# KiCad board pico_synth_sandbox.kicad_pcb
title: pico_synth_sandbox; date: 2024-01-01; rev: 2; note: pico-synth-sandbox.dcdalrymple.com; note: D Cooper Dalrymple
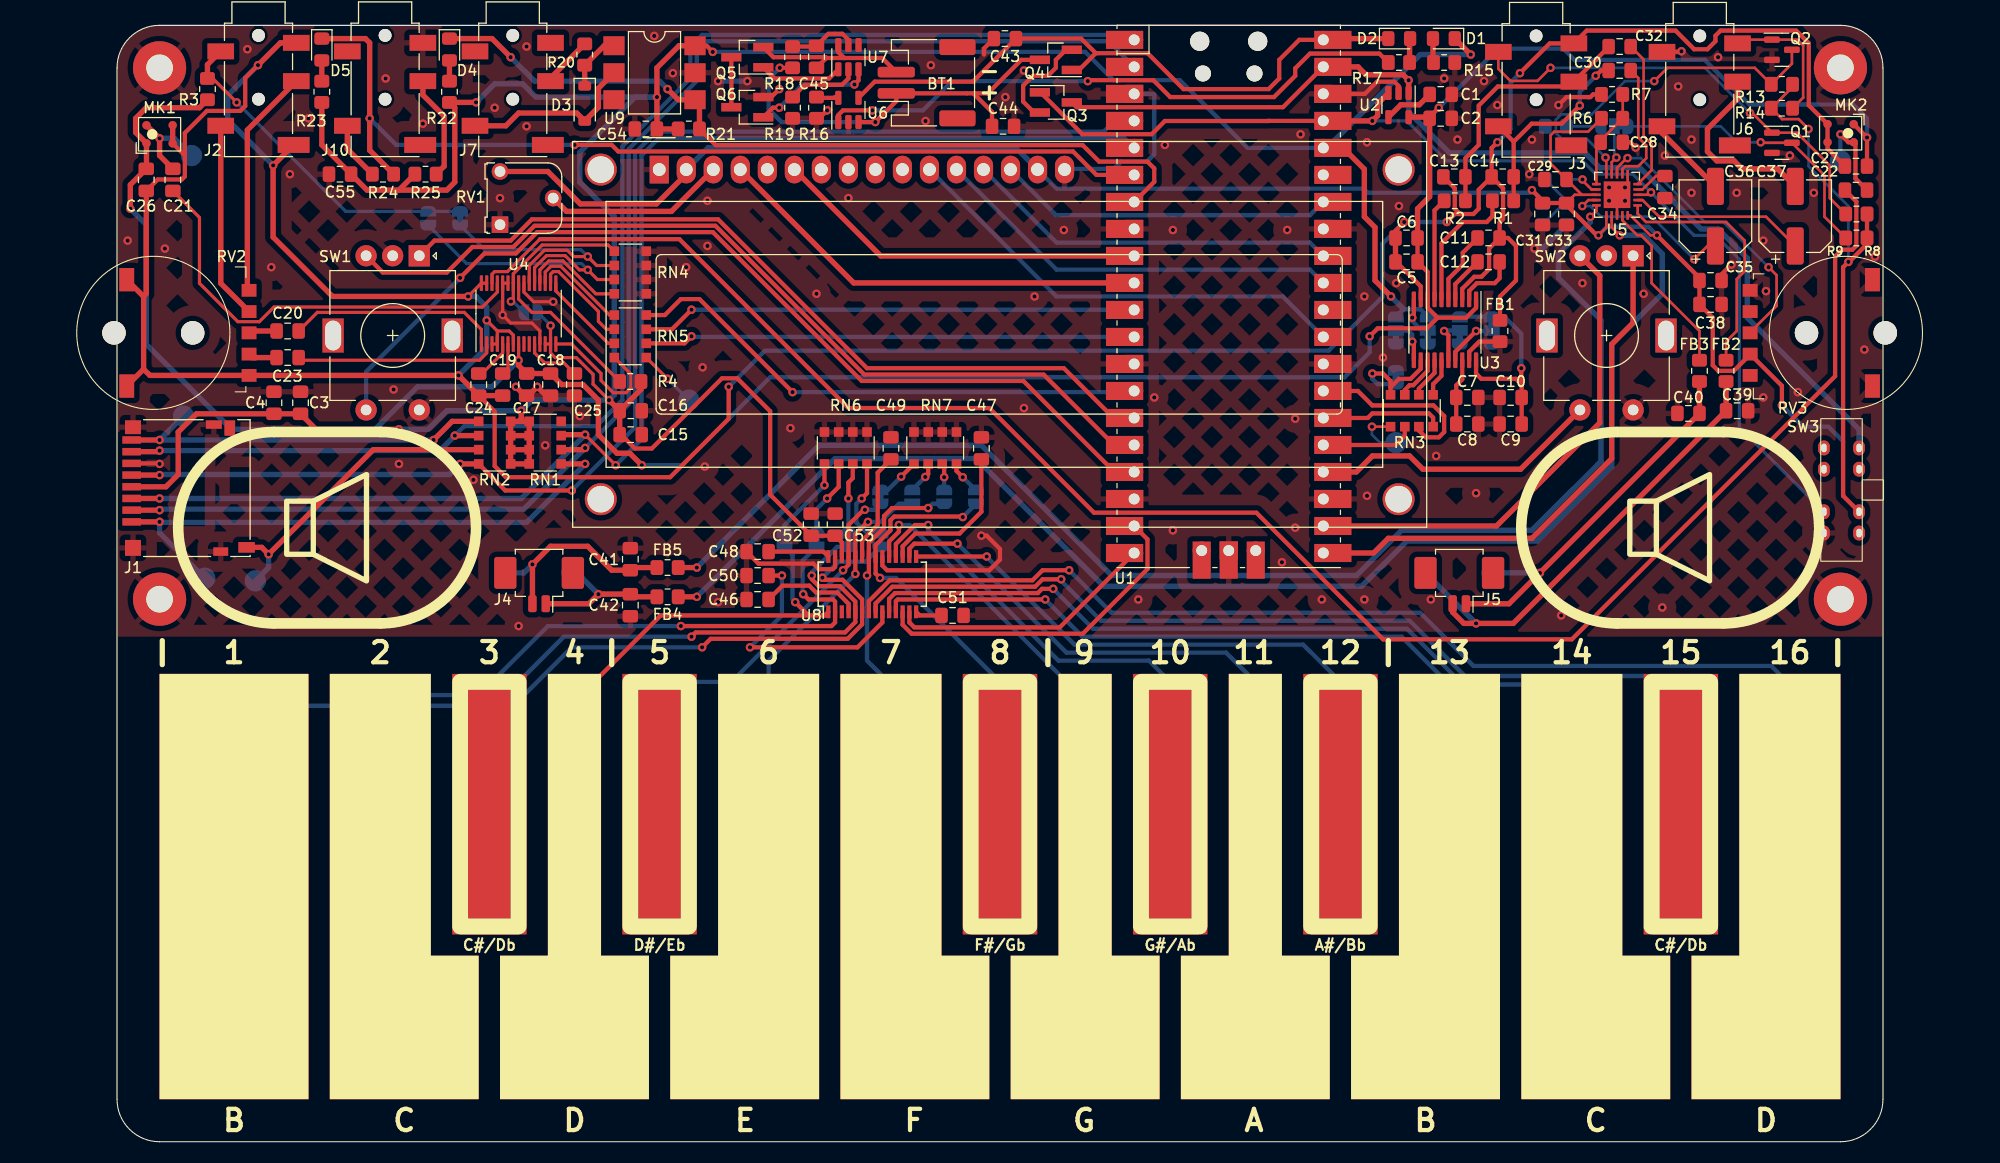
[diagram p0: board, top side]
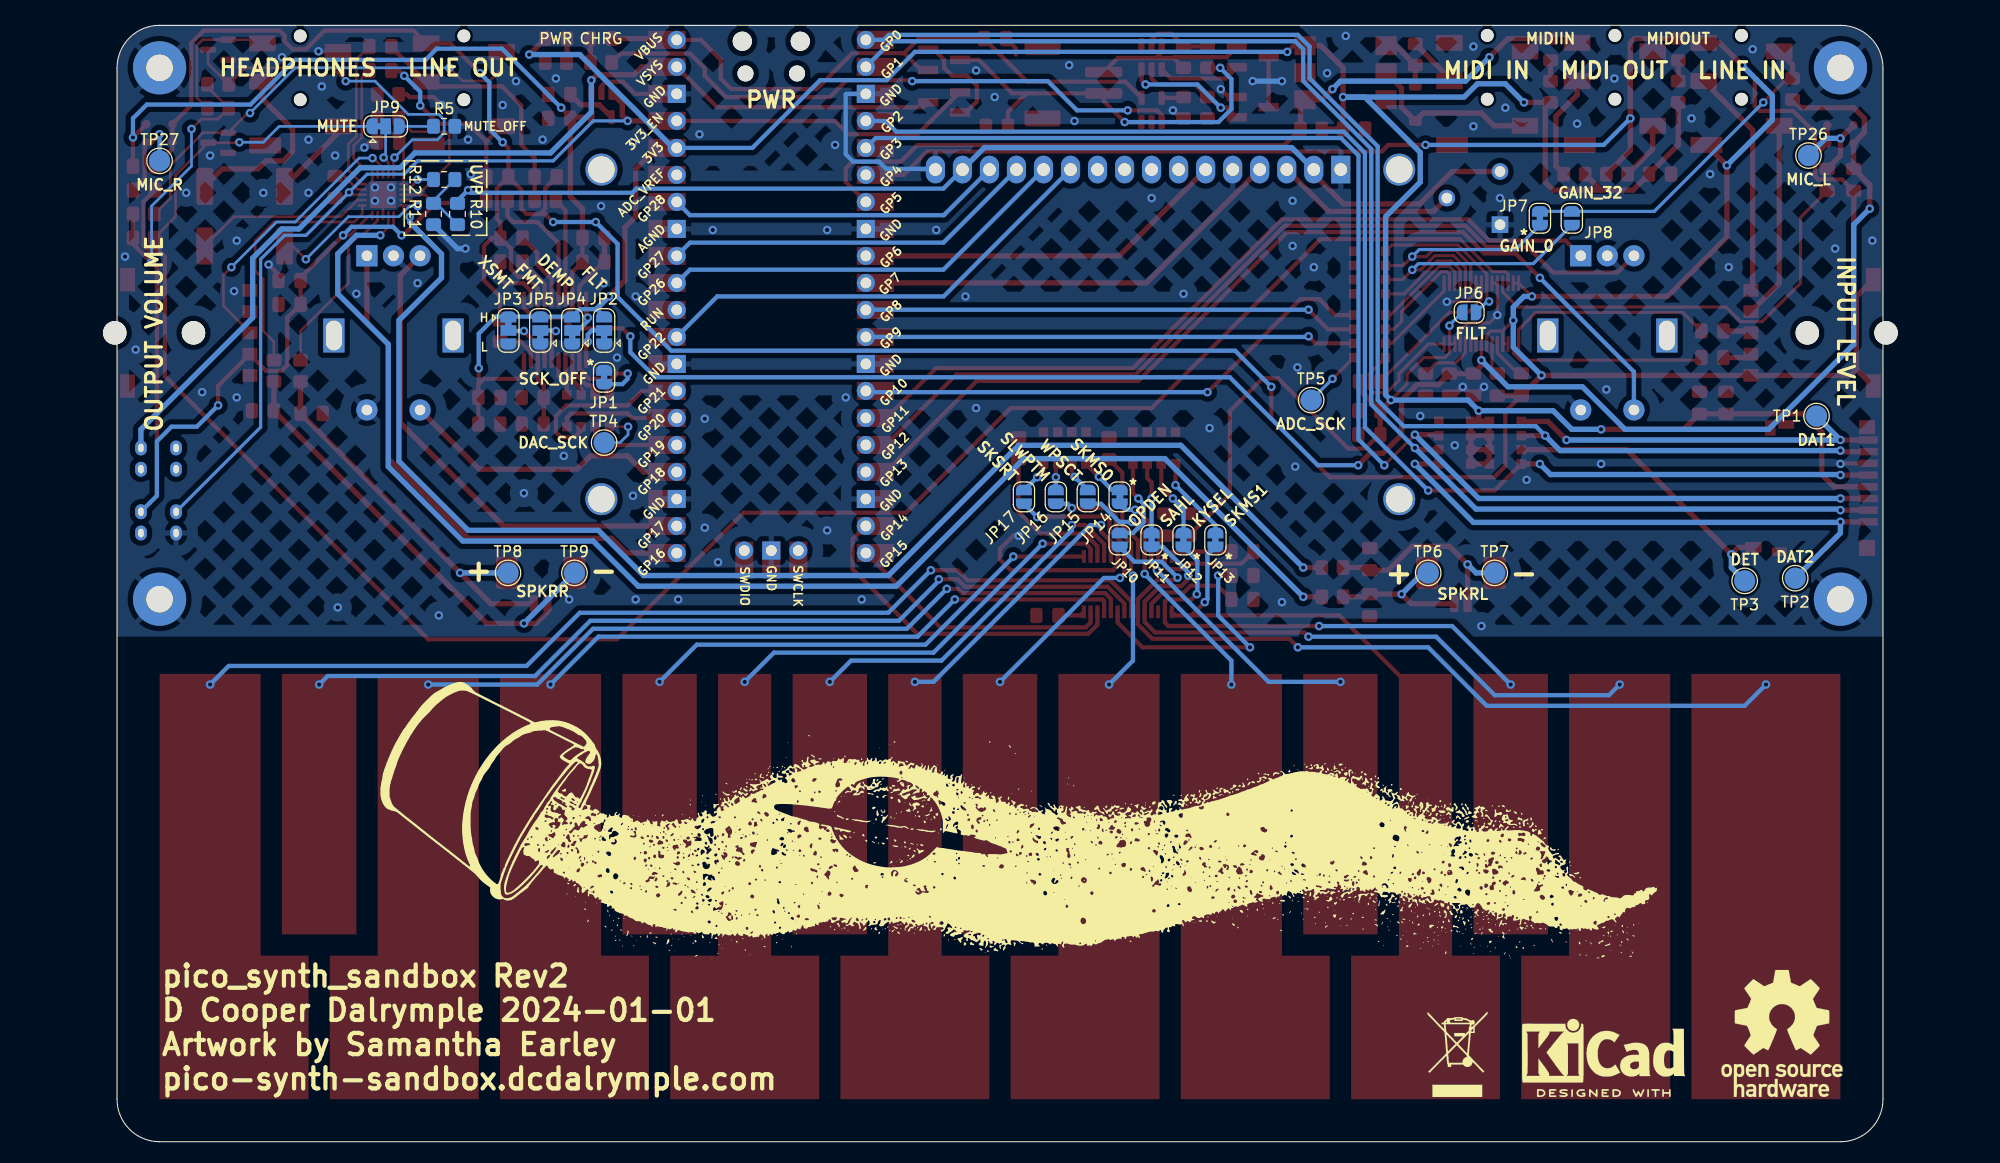
[diagram p1: board, bottom side, seen from below]

Outline 166 x 105 mm; copper layers: Top, Bottom. Coordinates in mm from the lower left corner of the outline.
Outline path: 0,101 arc(1.17,103.83) 4,105 162,105 arc(164.83,103.83) 166,101 166,4 arc(164.83,1.17) 162,0 4,0 arc(1.17,1.17) 0,4 0,101
Stack: Top 0.035mm / dielectric 1.51mm FR4 er 4.5 / Bottom 0.035mm

## Placement (name value [footprint] x y rotation side)
BT1  LiPo Battery  [JST_PH_S2B-PH-SM4-TB_1x02-1MP_P2.00mm_Horizontal]  76.1 99.6 90 top
C1  470pF  [C_0805_2012Metric_Pad1.18x1.45mm_HandSolder]  124.43 98.5 0 top
C2  2.2uF  [C_0805_2012Metric_Pad1.18x1.45mm_HandSolder]  124.43 96.25 0 top
C3  10uF  [C_0805_2012Metric_Pad1.18x1.45mm_HandSolder]  17.25 69.5 90 top
C4  0.1uF  [C_0805_2012Metric_Pad1.18x1.45mm_HandSolder]  14.75 69.5 90 top
C5  10uF  [C_0805_2012Metric_Pad1.18x1.45mm_HandSolder]  121.21 82.75 180 top
C6  0.1uF  [C_0805_2012Metric_Pad1.18x1.45mm_HandSolder]  121.21 85 180 top
C7  0.1uF  [C_0805_2012Metric_Pad1.18x1.45mm_HandSolder]  126.93 70 0 top
C8  10uF  [C_0805_2012Metric_Pad1.18x1.45mm_HandSolder]  126.93 67.5 0 top
C9  0.1uF  [C_0805_2012Metric_Pad1.18x1.45mm_HandSolder]  131 70 180 top
C10  10uF  [C_0805_2012Metric_Pad1.18x1.45mm_HandSolder]  131 67.5 0 top
C11  2.2uF  [C_0805_2012Metric_Pad1.18x1.45mm_HandSolder]  128.93 85 0 top
C12  2.2uF  [C_0805_2012Metric_Pad1.18x1.45mm_HandSolder]  128.93 82.75 180 top
C13  2.2nF  [C_0805_2012Metric_Pad1.18x1.45mm_HandSolder]  125.71 90.75 180 top
C14  2.2nF  [C_0805_2012Metric_Pad1.18x1.45mm_HandSolder]  130.25 90.75 180 top
C15  0.1uF  [C_0805_2012Metric_Pad1.18x1.45mm_HandSolder]  48.29 66.5 0 top
C16  10uF  [C_0805_2012Metric_Pad1.18x1.45mm_HandSolder]  48.29 68.75 0 top
C17  0.1uF  [C_0805_2012Metric_Pad1.18x1.45mm_HandSolder]  38.5 71.21 270 top
C18  10uF  [C_0805_2012Metric_Pad1.18x1.45mm_HandSolder]  40.75 71.21 270 top
C19  1uF  [C_0805_2012Metric_Pad1.18x1.45mm_HandSolder]  36.25 71.21 270 top
C20  10uF  [C_0805_2012Metric_Pad1.18x1.45mm_HandSolder]  16.04 76.25 0 top
C21  10uF  [C_0805_2012Metric_Pad1.18x1.45mm_HandSolder]  5.25 90.46 270 top
C22  10uF  [C_0805_2012Metric_Pad1.18x1.45mm_HandSolder]  163.46 89.5 180 top
C23  10uF  [C_0805_2012Metric_Pad1.18x1.45mm_HandSolder]  16.04 73.75 0 top
C24  2.2uF  [C_0805_2012Metric_Pad1.18x1.45mm_HandSolder]  34 71.21 270 top
C25  2.2uF  [C_0805_2012Metric_Pad1.18x1.45mm_HandSolder]  43 71.21 270 top
C26  0.1uF  [C_0805_2012Metric_Pad1.18x1.45mm_HandSolder]  2.75 90.46 270 top
C27  0.1uF  [C_0805_2012Metric_Pad1.18x1.45mm_HandSolder]  163.46 91.75 180 top
C28  1uF  [C_0805_2012Metric_Pad1.18x1.45mm_HandSolder]  140.5 94 0 top
C29  0.1uF  [C_0805_2012Metric_Pad1.18x1.45mm_HandSolder]  135.21 90.5 180 top
C30  1uF  [C_0805_2012Metric_Pad1.18x1.45mm_HandSolder]  141.25 100.75 0 top
C31  0.1uF  [C_0805_2012Metric_Pad1.18x1.45mm_HandSolder]  134 87.25 270 top
C32  1uF  [C_0805_2012Metric_Pad1.18x1.45mm_HandSolder]  141.25 103 0 top
C33  10uF  [C_0805_2012Metric_Pad1.18x1.45mm_HandSolder]  136.25 87.25 270 top
C34  2.2uF  [C_0805_2012Metric_Pad1.18x1.45mm_HandSolder]  145.5 89.79 270 top
C35  10uF  [C_0805_2012Metric_Pad1.18x1.45mm_HandSolder]  149.79 81 0 top
C36  220uF  [CP_Elec_6.3x5.4]  150.25 87.05 90 top
C37  220uF  [CP_Elec_6.3x5.4]  157.75 87.05 90 top
C38  0.1uF  [C_0805_2012Metric_Pad1.18x1.45mm_HandSolder]  149.79 78.75 0 top
C39  200pF  [C_0805_2012Metric_Pad1.18x1.45mm_HandSolder]  152.29 68.75 0 top
C40  200pF  [C_0805_2012Metric_Pad1.18x1.45mm_HandSolder]  147.71 68.5 180 top
C41  200pF  [C_0805_2012Metric_Pad1.18x1.45mm_HandSolder]  48.25 54.79 90 top
C42  200pF  [C_0805_2012Metric_Pad1.18x1.45mm_HandSolder]  48.25 50.46 270 top
C43  10uF  [C_0805_2012Metric_Pad1.18x1.45mm_HandSolder]  83.46 103.75 180 top
C44  10uF  [C_0805_2012Metric_Pad1.18x1.45mm_HandSolder]  83.29 95.5 0 top
C45  0.1uF  [C_0805_2012Metric_Pad1.18x1.45mm_HandSolder]  65.75 102.04 270 top
C46  0-50pF  [C_0805_2012Metric_Pad1.18x1.45mm_HandSolder]  60.21 51 180 top
C47  0-50pF  [C_0805_2012Metric_Pad1.18x1.45mm_HandSolder]  81.25 65.21 90 top
C48  0-50pF  [C_0805_2012Metric_Pad1.18x1.45mm_HandSolder]  60.21 55.5 180 top
C49  0-50pF  [C_0805_2012Metric_Pad1.18x1.45mm_HandSolder]  72.75 65.21 90 top
C50  0-50pF  [C_0805_2012Metric_Pad1.18x1.45mm_HandSolder]  60.21 53.25 180 top
C51  0-50pF  [C_0805_2012Metric_Pad1.18x1.45mm_HandSolder]  78.54 49.5 0 top
C52  0.1uF  [C_0805_2012Metric_Pad1.18x1.45mm_HandSolder]  65.25 58.04 90 top
C53  10uF  [C_0805_2012Metric_Pad1.18x1.45mm_HandSolder]  67.5 58.04 90 top
C54  1uF  [C_0805_2012Metric_Pad1.18x1.45mm_HandSolder]  49.71 95.25 180 top
C55  1uF  [C_0805_2012Metric_Pad1.18x1.45mm_HandSolder]  20.96 91 180 top
D1  PWR  [LED_0805_2012Metric_Pad1.15x1.40mm_HandSolder]  124.72 103.75 180 top
D2  CHRG  [LED_0805_2012Metric_Pad1.15x1.40mm_HandSolder]  120.53 103.75 0 top
D3  1N4148W  [D_SOD-123]  43.96 97.65 270 top
D4  MIDIIN  [LED_0805_2012Metric_Pad1.15x1.40mm_HandSolder]  31.25 102.72 270 top
D5  MIDIOUT  [LED_0805_2012Metric_Pad1.15x1.40mm_HandSolder]  19.25 102.72 270 top
DS1  -  [WC1602A]  50.97 91.43 0 top
FB1  EFI_GNDA  [R_0805_2012Metric_Pad1.20x1.40mm_HandSolder]  130 76.25 90 top
FB2  FSPKRR+  [R_0805_2012Metric_Pad1.20x1.40mm_HandSolder]  148.75 72.5 270 top
FB3  FSPKRR-  [R_0805_2012Metric_Pad1.20x1.40mm_HandSolder]  151.25 72.5 90 top
FB4  FSPKRL+  [R_0805_2012Metric_Pad1.20x1.40mm_HandSolder]  51.75 51.25 180 top
FB5  FSPKRL-  [R_0805_2012Metric_Pad1.20x1.40mm_HandSolder]  51.75 54 0 top
H1  MountingHole_Pad  [MountingHole_2.5mm_Pad]  162 101 0 top
H2  MountingHole_Pad  [MountingHole_2.5mm_Pad]  4 51.03 0 top
H3  MountingHole_Pad  [MountingHole_2.5mm_Pad]  4 101 0 top
H4  MountingHole_Pad  [MountingHole_2.5mm_Pad]  162 51.03 0 top
J1  Micro_SD_Card_Det2  [microSD_HC_Hirose_DM3D-SF]  6.73 61.47 270 top
J2  LINEIN  [Jack_3.5mm_PJ327A_Horizontal]  13.3 98.83 270 top
J3  LINEOUT  [Jack_3.5mm_PJ327A_Horizontal]  133.4 98.78 270 top
J4  SPKRL  [Molex_PicoBlade_53261-0271_1x02-1MP_P1.25mm_Horizontal]  39.67 53 180 top
J5  SPKRR  [Molex_PicoBlade_53261-0271_1x02-1MP_P1.25mm_Horizontal]  126.18 53 180 top
J6  HPOUT  [Jack_3.5mm_PJ327A_Horizontal]  148.78 98.78 270 top
J7  MIDIIN  [Jack_3.5mm_PJ327A_Horizontal]  37.2 98.83 270 top
J10  MIDIOUT  [Jack_3.5mm_PJ327A_Horizontal]  25.2 98.83 270 top
JP1  SCK  [SolderJumper-2_P1.3mm_Bridged_RoundedPad1.0x1.5mm]  120.21 71.9 270 bottom
JP2  H1L  [SolderJumper-3_P1.3mm_Bridged12_RoundedPad1.0x1.5mm]  120.21 76.3 90 bottom
JP3  H3L  [SolderJumper-3_P1.3mm_Bridged12_RoundedPad1.0x1.5mm]  129.21 76.3 270 bottom
JP4  H2L  [SolderJumper-3_P1.3mm_Bridged12_RoundedPad1.0x1.5mm]  123.21 76.3 90 bottom
JP5  H4L  [SolderJumper-3_P1.3mm_Bridged12_RoundedPad1.0x1.5mm]  126.21 76.3 90 bottom
JP6  FILT  [SolderJumper-2_P1.3mm_Open_RoundedPad1.0x1.5mm]  38.9 78 180 bottom
JP7  MIC_GAIN_0  [SolderJumper-2_P1.3mm_Bridged_RoundedPad1.0x1.5mm]  32.25 86.85 90 bottom
JP8  MIC_GAIN_32  [SolderJumper-2_P1.3mm_Open_RoundedPad1.0x1.5mm]  29.25 86.85 90 bottom
JP9  MUTE_ENABLE  [SolderJumper-3_P1.3mm_Bridged12_RoundedPad1.0x1.5mm]  140.75 95.5 180 bottom
JP10  OPDEN  [SolderJumper-2_P1.3mm_Open_RoundedPad1.0x1.5mm]  71.75 56.6 90 bottom
JP11  SAHL  [SolderJumper-2_P1.3mm_Bridged_RoundedPad1.0x1.5mm]  68.75 56.6 90 bottom
JP12  KYSEL  [SolderJumper-2_P1.3mm_Bridged_RoundedPad1.0x1.5mm]  65.75 56.6 90 bottom
JP13  SKMS1  [SolderJumper-2_P1.3mm_Bridged_RoundedPad1.0x1.5mm]  62.75 56.6 90 bottom
JP14  SKMS0  [SolderJumper-2_P1.3mm_Bridged_RoundedPad1.0x1.5mm]  71.75 60.65 90 bottom
JP15  WPSCT  [SolderJumper-2_P1.3mm_Open_RoundedPad1.0x1.5mm]  74.75 60.65 90 bottom
JP16  SLWPTM  [SolderJumper-2_P1.3mm_Open_RoundedPad1.0x1.5mm]  77.75 60.65 90 bottom
JP17  SKSRT  [SolderJumper-2_P1.3mm_Open_RoundedPad1.0x1.5mm]  80.75 60.65 90 bottom
LS1  SPKRL  [MiniOvalSpeaker]  19.75 57.75 0 top
LS2  SPKRR  [MiniOvalSpeaker]  146 57.75 0 top
MK1  MIC_L  [Knowles_SPU0410HR5H-PB_3.76x2.95mm]  4 94.75 90 top
MK2  MIC_R  [Knowles_SPU0410HR5H-PB_3.76x2.95mm]  162.02 94.85 270 top
NOREF  -  [GalaxyBucket]  81.25 30.25 180 bottom
Q1  BSS138  [SOT-23]  156.5 93.95 0 top
Q2  BSS138  [SOT-23]  156.5 102.7 0 top
Q3  BSS84  [SOT-23_Handsoldering]  88.25 97.75 0 top
Q4  BSS84  [SOT-23_Handsoldering]  88.25 101.75 180 top
Q5  BSS138  [SOT-23_Handsoldering]  59.25 102 180 top
Q6  BSS138  [SOT-23_Handsoldering]  59.25 97.3 180 top
R1  470  [R_0805_2012Metric_Pad1.20x1.40mm_HandSolder]  130.29 88.5 180 top
R2  470  [R_0805_2012Metric_Pad1.20x1.40mm_HandSolder]  125.75 88.5 180 top
R3  1k  [R_0805_2012Metric_Pad1.20x1.40mm_HandSolder]  8.5 99 90 top
R4  10k  [R_0805_2012Metric_Pad1.20x1.40mm_HandSolder]  48.25 71.5 180 top
R5  10k  [R_0805_2012Metric_Pad1.20x1.40mm_HandSolder]  135.25 95.5 180 bottom
R6  1k  [R_0805_2012Metric_Pad1.20x1.40mm_HandSolder]  140.54 96.25 0 top
R7  2.4k  [R_0805_2012Metric_Pad1.20x1.40mm_HandSolder]  140.54 98.5 180 top
R8  100k  [R_0805_2012Metric_Pad1.20x1.40mm_HandSolder]  163.5 85 180 top
R9  100k  [R_0805_2012Metric_Pad1.20x1.40mm_HandSolder]  163.5 87.25 180 top
R10  NC  [R_0805_2012Metric_Pad1.20x1.40mm_HandSolder]  134 87.25 270 bottom
R11  NC  [R_0805_2012Metric_Pad1.20x1.40mm_HandSolder]  136.25 87.25 270 bottom
R12  NC  [R_0805_2012Metric_Pad1.20x1.40mm_HandSolder]  135.25 90.5 0 bottom
R13  100k  [R_0805_2012Metric_Pad1.20x1.40mm_HandSolder]  156.5 99.45 180 top
R14  100k  [R_0805_2012Metric_Pad1.20x1.40mm_HandSolder]  156.5 97.2 0 top
R15  1k  [R_0805_2012Metric_Pad1.20x1.40mm_HandSolder]  124.75 101.5 0 top
R16  4.7k  [R_0805_2012Metric_Pad1.20x1.40mm_HandSolder]  65.75 97.25 270 top
R17  1k  [R_0805_2012Metric_Pad1.20x1.40mm_HandSolder]  120.5 101.5 180 top
R18  330  [R_0805_2012Metric_Pad1.20x1.40mm_HandSolder]  63.5 102 90 top
R19  2.7k  [R_0805_2012Metric_Pad1.20x1.40mm_HandSolder]  63.5 97.25 270 top
R20  220  [R_0805_2012Metric_Pad1.20x1.40mm_HandSolder]  43.96 102.25 90 top
R21  470  [R_0805_2012Metric_Pad1.20x1.40mm_HandSolder]  53.75 95.25 0 top
R22  2.2k  [R_0805_2012Metric_Pad1.20x1.40mm_HandSolder]  31.25 98.75 90 top
R23  2.2k  [R_0805_2012Metric_Pad1.20x1.40mm_HandSolder]  19.25 98.75 90 top
R24  10  [R_0805_2012Metric_Pad1.20x1.40mm_HandSolder]  25 91 0 top
R25  220  [R_0805_2012Metric_Pad1.20x1.40mm_HandSolder]  29 91 0 top
REF**  -  [OSHW-Logo_11.4x12mm_SilkScreen]  9.5 10.19 180 bottom
REF**#2  -  [WEEE-Logo_5.6x8mm_SilkScreen]  40 8.22 180 bottom
REF**#3  -  [KiCad-Logo2_6mm_SilkScreen]  26.26 8.58 180 bottom
RN1  47k  [R_Array_Convex_4x1206]  40.25 65.75 180 top
RN2  47k  [R_Array_Convex_4x1206]  35.5 65.75 0 top
RN3  22  [R_Array_Convex_4x1206]  121.71 68.75 270 top
RN4  10k  [R_Array_Convex_4x1206]  48.25 81.75 0 top
RN5  22  [R_Array_Convex_4x1206]  48.25 75.75 0 top
RN6  1M  [R_Array_Convex_4x1206]  68.5 65.25 90 top
RN7  1M  [R_Array_Convex_4x1206]  76.91 65.25 90 top
RV1  10k  [Potentiometer_Runtron_RM-065_Vertical]  36 86.25 90 top
RV2  10k  [RK10J12R0A0B]  3.41 76.08 90 top
RV3  10k  [RK10J12R0A0B]  162.51 76.08 270 top
SW1  RotaryEncoder_Switch  [RotaryEncoder_Alps_EC11E-Switch_Vertical_H20mm]  28.41 83.33 270 top
SW2  RotaryEncoder_Switch  [RotaryEncoder_Alps_EC11E-Switch_Vertical_H20mm]  142.51 83.33 270 top
SW3  PWR_EN  [MK-23D38]  162.1 61.25 180 top
TP1  SD_DAT1  [TestPoint_Pad_D2.0mm]  6.25 68.25 180 bottom
TP2  SD_DAT2  [TestPoint_Pad_D2.0mm]  8.25 53 180 bottom
TP3  SD_DET  [TestPoint_Pad_D2.0mm]  13 52.75 180 bottom
TP4  SCK  [TestPoint_Pad_D2.0mm]  120.21 65.75 180 bottom
TP5  SCK  [TestPoint_Pad_D2.0mm]  53.75 69.75 180 bottom
TP6  SPKRL+  [TestPoint_Pad_D2.0mm]  42.75 53.5 180 bottom
TP7  SPKRL-  [TestPoint_Pad_D2.0mm]  36.5 53.5 180 bottom
TP8  SPKRR+  [TestPoint_Pad_D2.0mm]  129.25 53.5 180 bottom
TP9  SPKRR-  [TestPoint_Pad_D2.0mm]  123 53.5 180 bottom
TP10  B2  [CapKeysWhite]  11 24 0 top
TP11  C3  [CapKeysWhiteLeft]  27 24 0 top
TP12  C#3/Db3  [CapKeysBlack]  35 31.75 0 top
TP13  D3  [CapKeysWhiteMiddle]  43 24 0 top
TP14  D#3/Eb3  [CapKeysBlack]  51 31.75 0 top
TP15  E3  [CapKeysWhiteRight]  59 24 0 top
TP16  F3  [CapKeysWhiteLeft]  75 24 0 top
TP17  F#3/Gb3  [CapKeysBlack]  83 31.75 0 top
TP18  G3  [CapKeysWhiteMiddle]  91 24 0 top
TP19  G#3/Ab3  [CapKeysBlack]  99 31.75 0 top
TP20  A3  [CapKeysWhiteMiddle]  107 24 0 top
TP21  A#3/Bb3  [CapKeysBlack]  115 31.75 0 top
TP22  B3  [CapKeysWhiteRight]  123 24 0 top
TP23  C4  [CapKeysWhiteLeft]  139 24 0 top
TP24  C#4/Db4  [CapKeysBlack]  147 31.75 0 top
TP25  D4  [CapKeysWhiteRight]  155 24 0 top
TP26  MIC_L  [TestPoint_Pad_D2.0mm]  7 92.75 180 bottom
TP27  MIC_R  [TestPoint_Pad_D2.0mm]  162 92.25 180 bottom
U1  Pico  [RPi_Pico_SMD_TH_BS]  104.5 79.5 0 top
U2  MIC5219-3.3YM5  [SOT-23-5]  120.46 97.5 270 top
U3  PCM5102A  [TSSOP-20_4.4x6.5mm_P0.65mm]  124.82 76.36 270 top
U4  PCM1860DBTR  [TSSOP-30_4.4x7.8mm_P0.5mm]  37.75 77.89 90 top
U5  PAM8019  [QFN-20-1EP_4x4mm_P0.5mm_EP2.5x2.5mm]  141 89.06 180 top
U6  MCP73831-5-OT  [SOT-23-5]  68.75 97.04 90 top
U7  AP9101CK6  [SOT-23-6]  68.75 102 90 top
U8  TTP229-BSF  [SSOP-28_3.9x9.9mm_P0.635mm]  70.99 52.44 90 top
U9  H11L1  [SMDIP-6_W7.62mm]  50.52 100.54 0 top

## Library data of the parts
C1-C35 C38-C45 C52-C55 = -: ki_fp_filters: C_*
C36 C37 = -: ki_fp_filters: CP_*
D1 D2 D4 D5 = -: ki_fp_filters: LED* LED_SMD:* LED_THT:*
D3 = -: Datasheet: https://www.vishay.com/docs/85748/1n4148w.pdf; Sim.Device: D; Sim.Pins: 1=K 2=A; ki_fp_filters: D*SOD?123*
DS1 = -: Datasheet: http://www.wincomlcd.com/pdf/WC1602A-SFYLYHTC06.pdf; ki_fp_filters: *WC*1602A*
FB1-FB5 = -: ki_fp_filters: Inductor_* L_* *Ferrite*
H1-H4 = -: ki_fp_filters: MountingHole*Pad*
J1 = -: Datasheet: https://www.hirose.com/en/product/document?clcode=&productname=&series=DM3&documenttype=Catalog&lang=en&documentid=D49662_en; ki_fp_filters: microSD*
J2 J3 J6 J7 J10 = -: ki_fp_filters: Jack*
J4 J5 = -: ki_fp_filters: Connector*:*_1x??_*
JP1 JP7 JP11-JP14 = -: ki_fp_filters: SolderJumper*Bridged*
JP2-JP5 JP9 = -: ki_fp_filters: SolderJumper*Bridged12*
JP6 JP8 JP10 JP15-JP17 = -: ki_fp_filters: SolderJumper*Open*
LS1 LS2 = -: Datasheet: https://cdn-shop.adafruit.com/product-files/4227/C13238-001+spec+RB-2030008G-046LR-E+for+C13238-001++%281%29.pdf
MK1 MK2 = -: Datasheet: https://www.knowles.com/docs/default-source/model-downloads/spu0410hr5h-pb-revh18421a731dff6ddbb37cff0000940c19.pdf?Status=Master&sfvrsn=f0bd77b1_4; ki_fp_filters: Knowles*SPH0645LM4H*
Q1 Q2 Q5 Q6 = -: Datasheet: https://www.onsemi.com/pub/Collateral/BSS138-D.PDF; ki_fp_filters: SOT?23*
Q3 Q4 = -: Datasheet: http://assets.nexperia.com/documents/data-sheet/BSS84.pdf; ki_fp_filters: SOT?23*
R1-R25 = -: ki_fp_filters: R_*
RN1-RN7 = -: ki_fp_filters: DIP* SOIC* R*Array*Concave* R*Array*Convex*
RV1 = -: ki_fp_filters: Potentiometer*
RV2 RV3 = -: Datasheet: https://www.mouser.com/datasheet/2/15/RKJ1-1370680.pdf
SW1 SW2 = -: ki_fp_filters: RotaryEncoder*Switch*
SW3 = -: ki_fp_filters: SW* DP3T*
TP1-TP27 = -: ki_fp_filters: Pin* Test*
U2 = -: Datasheet: http://ww1.microchip.com/downloads/en/DeviceDoc/MIC5219-500mA-Peak-Output-LDO-Regulator-DS20006021A.pdf; ki_fp_filters: SOT?23*
U3 = -: Datasheet: https://www.ti.com/lit/ds/symlink/pcm5102a.pdf; ki_fp_filters: TSSOP*4.4x6.5mm*P0.65mm*
U5 = -: Datasheet: https://www.diodes.com/assets/Datasheets/PAM8019.pdf
U6 = -: Datasheet: http://ww1.microchip.com/downloads/en/DeviceDoc/20001984g.pdf; ki_fp_filters: SOT?23*
U7 = -: Datasheet: https://www.diodes.com/assets/Datasheets/AP9101C.pdf; ki_fp_filters: SOT?23*
U9 = -: Datasheet: https://www.onsemi.com/pub/Collateral/H11L3M-D.PDF; ki_fp_filters: DIP*W7.62mm* DIP*W10.16mm* SMDIP*W9.53mm*

## Footprints (pads in the part's own frame, mm; a bottom-side part is the same pattern mirrored in y, then rotated)
C_0805_2012Metric_Pad1.18x1.45mm_HandSolder
  rrect 1.175x1.45 smd: 1(-1.038,0) 2(1.038,0)
CapKeysBlack
  rect 7x24.5 smd: 1(0,0)
CapKeysWhite
  rect 14x40 smd: 1(0,0)
CapKeysWhiteLeft
  custom 14x40 smd: 1(0,0)
CapKeysWhiteMiddle
  custom 14x40 smd: 1(0,0)
CapKeysWhiteRight
  custom 14x40 smd: 1(0,0)
CP_Elec_6.3x5.4
  rrect 3.5x1.6 smd: 1(-2.8,0) 2(2.8,0)
D_SOD-123
  rrect 0.9x1.2 smd: 1(-1.65,0) 2(1.65,0)
Jack_3.5mm_PJ327A_Horizontal
  round 1.2 hole 1.2 unplated: (-5.225,0) (0.775,0)
  rect 1.5x2.5 smd: R1(-0.925,3.55) R2(-3.725,-3.55) S(-4.525,3.55) T(3.275,-3.55)
  rect 1.5x3 smd: TN(5.075,3.3)
JST_PH_S2B-PH-SM4-TB_1x02-1MP_P2.00mm_Horizontal
  rrect 1x3.5 smd: 1(-1,2.85) 2(1,2.85)
  rrect 1.5x3.4 smd: MP(-3.35,-2.9) MP(3.35,-2.9)
Knowles_SPU0410HR5H-PB_3.76x2.95mm
  round 0.8 smd: 1(-0.85,1.23) 2(-0.85,-1.23) 3(0.85,-1.23) 4(0.85,1.23)
LED_0805_2012Metric_Pad1.15x1.40mm_HandSolder
  rrect 1.15x1.4 smd: 1(-1.025,0) 2(1.025,0)
microSD_HC_Hirose_DM3D-SF
  rect 0.7x1.75 smd: 1(3.175,-5.35) 2(2.075,-5.35) 3(0.975,-5.35) 4(-0.125,-5.35) 5(-1.225,-5.35) 6(-2.325,-5.35) 7(-3.425,-5.35) 8(-4.525,-5.35)
  rect 1.45x1 smd: 9(-5.65,3.875)
  rect 1x1.55 smd: 10(5.575,5.45)
  rect 0.8x1.5 smd: 11(-5.975,2.375)
  rect 1.3x1.5 smd: 11(-5.725,-5.225)
  rect 1.5x1.5 smd: 11(5.625,-5.225)
  rect 0.8x1.4 smd: 11(5.975,3.025)
MK-23D38
  oval 1.1x1.4 hole 0.5x0.8: 1(-1.65,-4) 2(-1.65,-2) 3(-1.65,2) 4(-1.65,4) 5(1.65,-4) 6(1.65,-2) 7(1.65,2) 8(1.65,4)
Molex_PicoBlade_53261-0271_1x02-1MP_P1.25mm_Horizontal
  rrect 0.8x1.6 smd: 1(-0.625,2.4) 2(0.625,2.4)
  rrect 2.1x3 smd: MP(-3.175,-0.5) MP(3.175,-0.5)
MountingHole_2.5mm_Pad
  round 5 hole 2.5: 1(0,0)
Potentiometer_Runtron_RM-065_Vertical
  rect 1.56x1.56 hole 1: 1(0,0)
  round 1.56 hole 1: 2(2.5,-5) 3(5,0)
QFN-20-1EP_4x4mm_P0.5mm_EP2.5x2.5mm
  rrect 1.01x1.01 smd: (-0.625,0.625) (-0.625,-0.625) (0.625,0.625) (0.625,-0.625)
  rrect 0.825x0.25 smd: 1(-1.938,1) 2(-1.938,0.5) 3(-1.938,0) 4(-1.938,-0.5) 5(-1.938,-1) 11(1.938,-1) 12(1.938,-0.5) 13(1.938,0) 14(1.938,0.5) 15(1.938,1)
  rrect 0.25x0.825 smd: 6(-1,-1.938) 7(-0.5,-1.938) 8(0,-1.938) 9(0.5,-1.938) 10(1,-1.938) 16(1,1.938) 17(0.5,1.938) 18(0,1.938) 19(-0.5,1.938) 20(-1,1.938)
  rect 2.5x2.5 smd: 21(0,0)
R_0805_2012Metric_Pad1.20x1.40mm_HandSolder
  rrect 1.2x1.4 smd: 1(-1,0) 2(1,0)
R_Array_Convex_4x1206
  rect 0.9x0.9 smd: 1(-1.5,2) 2(-1.5,0.66) 3(-1.5,-0.66) 4(-1.5,-2) 5(1.5,-2) 6(1.5,-0.66) 7(1.5,0.66) 8(1.5,2)
RK10J12R0A0B
  round 2.2 hole 2.2: 0(0,3.7) 0(0,-3.7)
  rect 2.2x1.4 smd: 1(-5,2.5) 1(5,2.5)
  rect 1.2x1.4 smd: 1(-4,-9) 2(-2,-9) 3(0,-9) 4(2,-9) 5(4,-9)
RotaryEncoder_Alps_EC11E-Switch_Vertical_H20mm
  rect 2x2 hole 1: A(0,0)
  round 2 hole 1: B(0,-5) C(0,-2.5) S1(14.5,-5) S2(14.5,0)
  rect 3.2x2 hole 2.8x1.5: MP(7.5,3.1) MP(7.5,-8.1)
RPi_Pico_SMD_TH_BS
  oval 1.8x1.8 hole 1.8 unplated: (-2.725,24) (2.725,24)
  oval 1.5x1.5 hole 1.5 unplated: (-2.425,20.97) (2.425,20.97)
  oval 1.7x1.7 hole 1.02: 1(-8.89,24.13) 2(-8.89,21.59) 4(-8.89,16.51) 5(-8.89,13.97) 6(-8.89,11.43) 7(-8.89,8.89) 9(-8.89,3.81) 10(-8.89,1.27) 11(-8.89,-1.27) 12(-8.89,-3.81) 14(-8.89,-8.89) 15(-8.89,-11.43) 16(-8.89,-13.97) 17(-8.89,-16.51) 19(-8.89,-21.59) 20(-8.89,-24.13) 21(8.89,-24.13) 22(8.89,-21.59) 24(8.89,-16.51) 25(8.89,-13.97) 26(8.89,-11.43) 27(8.89,-8.89) 29(8.89,-3.81) 30(8.89,-1.27) 31(8.89,1.27) 32(8.89,3.81) 34(8.89,8.89) 35(8.89,11.43) 36(8.89,13.97) 37(8.89,16.51) 39(8.89,21.59) 40(8.89,24.13) 41(-2.54,-23.9) 43(2.54,-23.9)
  rect 3.5x1.7 smd: 1(-8.89,24.13) 2(-8.89,21.59) 3(-8.89,19.05) 4(-8.89,16.51) 5(-8.89,13.97) 6(-8.89,11.43) 7(-8.89,8.89) 8(-8.89,6.35) 9(-8.89,3.81) 10(-8.89,1.27) 11(-8.89,-1.27) 12(-8.89,-3.81) 13(-8.89,-6.35) 14(-8.89,-8.89) 15(-8.89,-11.43) 16(-8.89,-13.97) 17(-8.89,-16.51) 18(-8.89,-19.05) 19(-8.89,-21.59) 20(-8.89,-24.13) 21(8.89,-24.13) 22(8.89,-21.59) 23(8.89,-19.05) 24(8.89,-16.51) 25(8.89,-13.97) 26(8.89,-11.43) 27(8.89,-8.89) 28(8.89,-6.35) 29(8.89,-3.81) 30(8.89,-1.27) 31(8.89,1.27) 32(8.89,3.81) 33(8.89,6.35) 34(8.89,8.89) 35(8.89,11.43) 36(8.89,13.97) 37(8.89,16.51) 38(8.89,19.05) 39(8.89,21.59) 40(8.89,24.13)
  rect 1.7x1.7 hole 1.02: 3(-8.89,19.05) 8(-8.89,6.35) 13(-8.89,-6.35) 18(-8.89,-19.05) 23(8.89,-19.05) 28(8.89,-6.35) 33(8.89,6.35) 38(8.89,19.05) 42(0,-23.9)
  rect 1.7x3.5 smd: 41(-2.54,-23.9) 42(0,-23.9) 43(2.54,-23.9)
SMDIP-6_W7.62mm
  rect 2x1.78 smd: 1(-3.81,2.54) 2(-3.81,0) 3(-3.81,-2.54) 4(3.81,-2.54) 5(3.81,0) 6(3.81,2.54)
SolderJumper-2_P1.3mm_Bridged_RoundedPad1.0x1.5mm
  custom 1x1.5 smd: 1(-0.65,0) 2(0.65,0)
SolderJumper-2_P1.3mm_Open_RoundedPad1.0x1.5mm
  custom 1x1.5 smd: 1(-0.65,0) 2(0.65,0)
SolderJumper-3_P1.3mm_Bridged12_RoundedPad1.0x1.5mm
  custom 1.05x1.5 smd: 1(-1.3,0) 3(1.3,0)
  rect 1x1.5 smd: 2(0,0)
SOT-23
  rrect 1.475x0.6 smd: 1(-0.938,0.95) 2(-0.938,-0.95) 3(0.938,0)
SOT-23-5
  rrect 1.325x0.6 smd: 1(-1.137,0.95) 2(-1.137,0) 3(-1.137,-0.95) 4(1.137,-0.95) 5(1.137,0.95)
SOT-23-6
  rrect 1.325x0.6 smd: 1(-1.137,0.95) 2(-1.137,0) 3(-1.137,-0.95) 4(1.137,-0.95) 5(1.137,0) 6(1.137,0.95)
SOT-23_Handsoldering
  rect 1.9x0.8 smd: 1(-1.5,0.95) 2(-1.5,-0.95) 3(1.5,0)
SSOP-28_3.9x9.9mm_P0.635mm